# Altium PCB 39-996 - SM Clock-Timer.PcbDoc
Units mm, origin at the board's own origin, x right, y up, seen from the top; angles counter-clockwise.
Board outline 127.59 x 39.93 mm, 2 copper layers (Top Layer, Bottom Layer), stack 1.571 mm thick; 73 components, 68 nets, 281 pads, 84 vias.
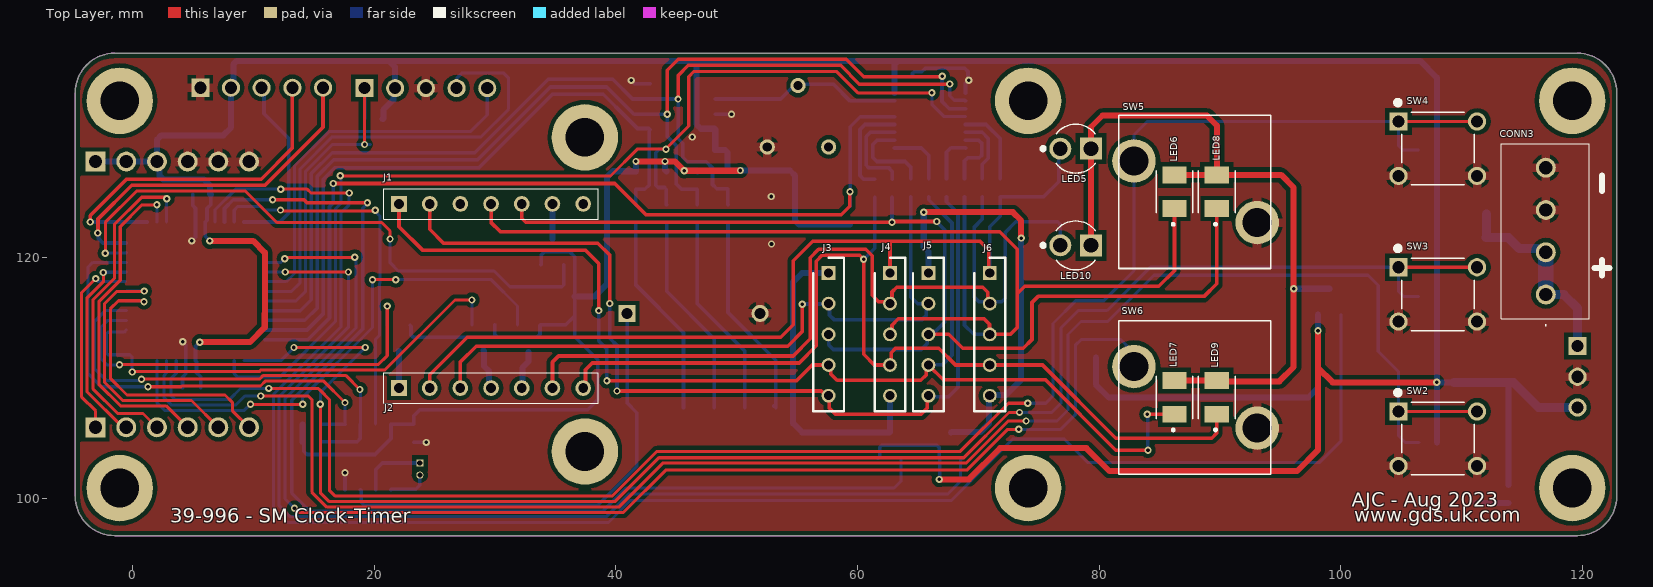
[diagram p0: Top Layer view]
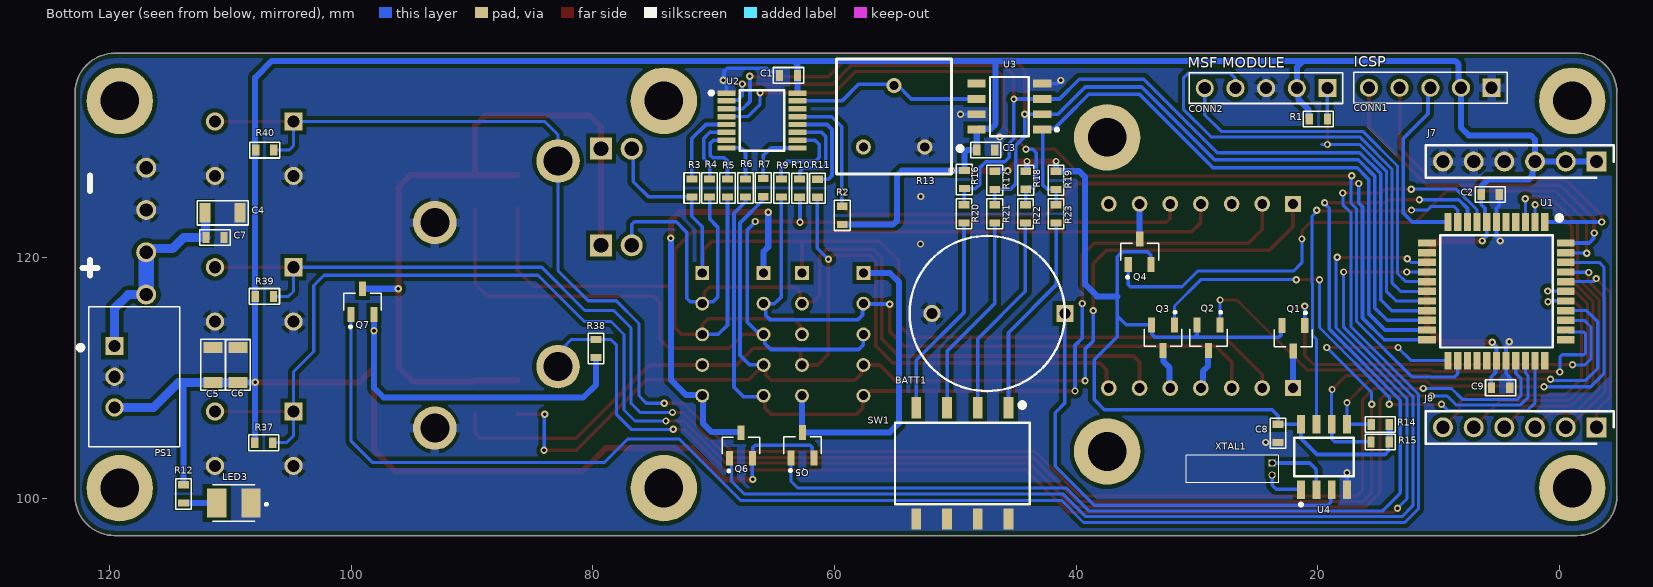
[diagram p1: Bottom Layer view, seen from below]
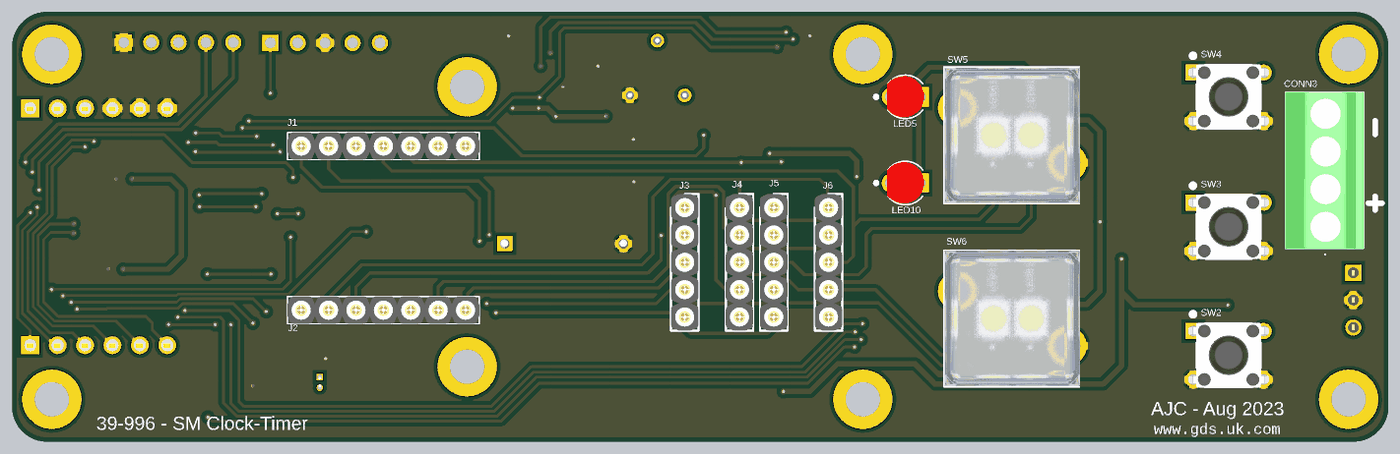
[diagram p2: 3D render of the assembled board from above, using the file's embedded part models]
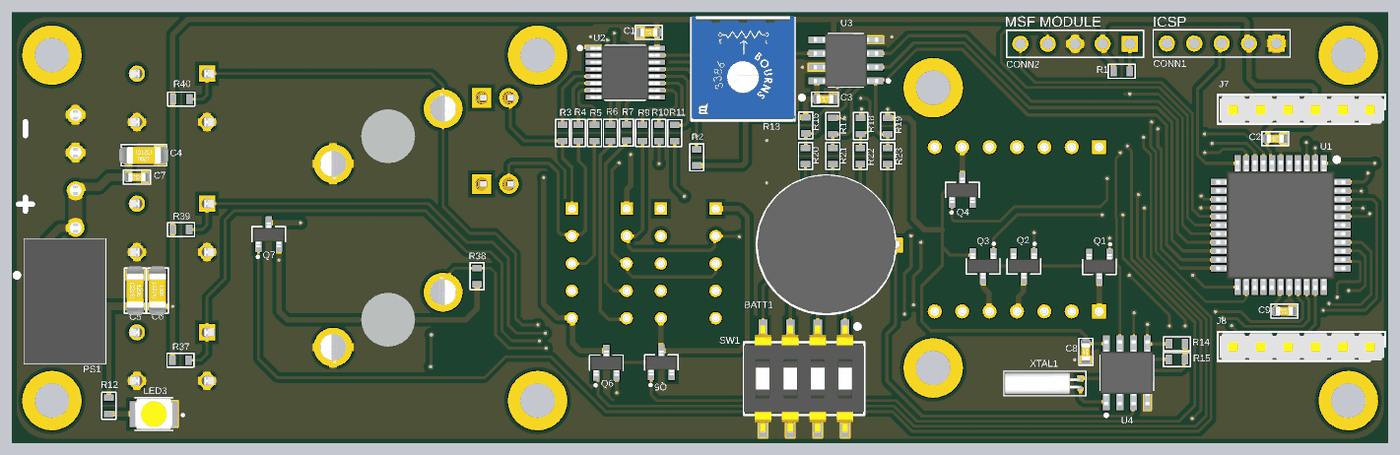
[diagram p3: 3D render of the assembled board from below, using the file's embedded part models]

## Layer stack, top to bottom
Top Solder: solder mask 0.0102, Solder Resist, Dk 3.5
Top Layer: signal copper 0.0356
Dielectric 1: dielectric 1.5, FR-4, Dk 4.8
Bottom Layer: signal copper 0.0356
Bottom Solder: solder mask 0.0102, Solder Resist, Dk 3.5

## Board outline
-4.75,100.189 -4.75,133.615 cw(c-1.499,133.614) -1.5,136.865 119.588,136.865 cw(c119.587,133.614) 122.838,133.615 122.838,100.189 cw(c119.587,100.19) 119.588,96.939 -1.5,96.939 cw(c-1.499,100.19)

## Design rules (kind name [scope] priority, off if disabled: settings)
AssemblyTestPointUsage AssemblyTestPointUsage_1 [All] p1:
AssemblyTestpoint AssemblyTestpoint_1 [All] p1: testpointundercomponent=TRUE minsize=1.016 maxsize=2.54 preferedsize=1.524 minholesize=0 maxholesize=1.016 preferedholesize=0.813 testpointgrid=0.025 usegrid=TRUE gridtolerance=0 allowsidetop=TRUE allowsidebottom=TRUE
Clearance Clearance_1 [All] p1: gap=0.35 ignorepadtopadclearanceinfootprint=FALSE except(0.2: Arc-Arc Arc-Track Arc-SMDPad Arc-THPad Arc-Via Track-Track Track-SMDPad Track-THPad Track-Via Track-Region SMDPad-SMDPad SMDPad-THPad SMDPad-Via SMDPad-Region THPad-THPad THPad-Via Via-Via)
ComponentClearance ComponentClearance_1 [All] p1: gap=0.254 collisioncheckmode=3 verticalgap=0.254 showdistances=FALSE
DiffPairsRouting DiffPairsRouting_1 [All] p1: maxlimit=0.254 minlimit=0.254 mostfreqgap=0.254 toplayer_minwidth=0.381 toplayer_maxwidth=0.381 toplayer_prefwidth=0.381 bottomlayer_minwidth=0.381 bottomlayer_maxwidth=0.381 bottomlayer_prefwidth=0.381 maxuncoupledlength=12.7
FabricationTestPointUsage FabricationTestPointUsage_1 [All] p1: valid=0 allowmultiple=FALSE
FabricationTestpoint FabricationTestpoint_1 [All] p1: side=3 testpointundercomponent=TRUE minsize=1.016 maxsize=2.54 preferedsize=1.524 minholesize=0 maxholesize=1.016 preferedholesize=0.813 testpointgrid=0.025 allowsidetop=TRUE allowsidebottom=TRUE usegrid=TRUE gridtolerance=0
FanoutControl Fanout_BGA_1 [IsBGA] p1: bgadir=Out bgaviamode=Centered fanoutstyle=Auto fanoutdirection=Alternating viagrid=0.025 // Fanout_BGA (Default Rule)
FanoutControl Fanout_LCC_1 [IsLCC] p2: bgadir=Out bgaviamode=Centered fanoutstyle=Auto fanoutdirection=Alternating viagrid=0.025 // Fanout_LCC (Default Rule)
FanoutControl Fanout_SOIC_1 [IsSOIC] p3: bgadir=Out bgaviamode=Centered fanoutstyle=Auto fanoutdirection=Alternating viagrid=0.025 // Fanout_SOIC (Default Rule)
FanoutControl Fanout_Small_1 [(CompPinCount < 5)] p4: bgadir=Out bgaviamode=Centered fanoutstyle=Auto fanoutdirection=OutThenIn viagrid=0.025 // Fanout_Small (Default Rule)
FanoutControl Fanout_Default_1 [All] p5: bgadir=Out bgaviamode=Centered fanoutstyle=Auto fanoutdirection=Alternating viagrid=0.025 // Fanout_Default (Default Rule)
Height Height_1 [All] p1: minheight=0 maxheight=50 prefheight=12.7
HoleSize HoleSize_1 [All] p1: absolutevalues=TRUE maxlimit=6 minlimit=0.025 maxpercent=80.000 minpercent=20.000
HoleToHoleClearance HoleToHoleClearance_1 [All] p1: gap=0.254 allowstackedmicrovias=TRUE
LayerPairs LayerPairs_1 [All] p1: enforce=TRUE
MinimumSolderMaskSliver MinimumSolderMaskSliver_1 [All] p1 off: minsoldermaskwidth=0
NetAntennae NetAntennae_1 [All] p1 off: netantennaetolerance=0
PasteMaskExpansion PasteMaskExpansion_1 [All] p1: expansion=0
PlaneClearance PlaneClearance_1 [All] p1: clearance=0.508
PlaneConnect PlaneConnect_1 [All] p1: planeconnectstyle=Relief reliefexpansion=0.508 reliefentries=4 reliefconductorwidth=0.254 reliefairgap=0.254
PolygonConnect PolygonConnect_1 [All] p1: thpad.connectstyle=Relief thpad.reliefconductorwidth=0.75 thpad.reliefentries=4 thpad.polygonreliefangle="90 Angle" thpad.airgapwidth=0.3 smdpad.connectstyle=Direct smdpad.reliefconductorwidth=0.254 smdpad.reliefentries=4 smdpad.polygonreliefangle="90 Angle" smdpad.airgapwidth=0.254 via.connectstyle=Direct via.reliefconductorwidth=0.254 via.reliefentries=4 via.polygonreliefangle="90 Angle" via.airgapwidth=0.254
RoutingCorners RoutingCorners_1 [All] p1: cornerstyle=45-Degree minsetback=2.54 maxsetback=2.54
RoutingLayers RoutingLayers_1 [All] p1: top layer_v5=TRUE bottom layer_v5=TRUE
RoutingPriority RoutingPriority_1 [All] p1: routingpriority=0
RoutingTopology RoutingTopology_1 [All] p1: topology=Shortest
RoutingVias RoutingVias_1 [All] p1: holewidth=0.4 width=0.8 viastyle="Through Hole" minholewidth=0.4 minwidth=0.8 maxholewidth=0.8 maxwidth=1.27
ShortCircuit ShortCircuit_1 [All] p1: allowed=FALSE
SilkToBoardRegionClearance SilkToBoardRegionClearance_1 [All] p2 off:
SilkToSilkClearance SilkToSilkClearance_1 [All] p1: silktosilkclearance=0
SilkToSolderMaskClearance SilkToSolderMaskClearance_1 [IsPad] p1 off: minsilkscreentomaskgap=0 clearancetoexposedcopper=TRUE
SolderMaskExpansion SolderMaskExpansion_1 [All] p1: expansion=0.102 istentingtop=FALSE
UnRoutedNet UnRoutedNet_1 [All] p1 off:
UnpouredPolygon UnpouredPolygon_1 [All] p1:
Width Width_1 [All] p1: maxlimit=2 minlimit=0.254 preferedwidth=0.5
1 further rules are at their usual default settings.

## Components (designator, comment, footprint, x,y, rotation, side; value= is the part's Value field where it differs from the comment)
BATT1 "CR1220MFR FH" CR1220MFRFH 40.93,115.329 r180 bottom
C1 "100nF" C0603 63.802,135.035 r180 bottom
C2 "100nF" C0603 5.715,125.184 r0 bottom
C3 "100nF" C0603 47.473,128.854 r0 bottom
C4 "10uF" C1206 110.638,123.651 r0 bottom
C5 "10uF" C1206 111.437,111.076 r270 bottom
C6 "10uF" C1206 109.363,111.074 r270 bottom
C7 "100nF" C0603 111.276,121.609 r0 bottom
C8 "100nF" C0603 23.279,105.407 r90 bottom
C9 "100nF" C0603 4.864,109.182 r0 bottom
CONN1 "NO FIT" ICSP 10.681,134.01 r0 bottom
CONN2 "NO FIT" ICSP 24.269,133.977 r0 bottom
CONN3 "1751264" 1751264 116.967,116.892 r90 top
J1 "1X7 Socket" D019970742 22.047,124.395 r0 top locked
J2 "1X7 Socket" D019970742 22.047,109.155 r0 top locked
J3 "1X5 Socket" D01-9970542 57.607,118.68 r270 top locked
J4 "1X5 Socket" D01-9970542 62.687,118.68 r270 top locked
J5 "1X5 Socket" D01-9970542 65.862,118.68 r270 top locked
J6 "1X5 Socket" D01-9970542 70.942,118.68 r270 top locked
J7 "SLW-106-01-G-S" SLW-106-01-G-S -3.067,127.902 r0 bottom
J8 "SLW-106-01-G-S" SLW-106-01-G-S -3.067,105.902 r0 bottom
LED3 "RED" LED_PLCC2 109.713,99.633 r0 bottom value="LS T676-Q1R2-1-Z"
LED5 "Red" LED_3MM 78.054,128.967 r0 top
LED6 "LS T676-Q1R2-1-Z" PLCC-2 86.23,125.401 r90 top
LED7 "LS T676-Q1R2-1-Z" PLCC-2 86.23,108.384 r90 top
LED8 "LG T67K-G2K1-24-Z" PLCC-2 89.73,125.401 r90 top
LED9 "LG T67K-G2K1-24-Z" PLCC-2 89.73,108.384 r90 top
LED10 "Red" LED_3MM 78.054,120.966 r0 top
PS1 "MP-K7805-500R3" CONV_K7805-500R3 117.962,110.088 r270 bottom
Q1 "SI2315BDS-T1-E3" SOT23-3 22.022,113.284 r270 bottom
Q2 "SI2315BDS-T1-E3" SOT23-3 29.032,113.322 r270 bottom
Q3 "SI2315BDS-T1-E3" SOT23-3 32.804,113.322 r270 bottom
Q4 "SI2315BDS-T1-E3" SOT23-3 34.734,120.434 r90 bottom
Q5 "SI2315BDS-T1-E3" SOT23-3 62.642,104.429 r90 bottom
Q6 "SI2315BDS-T1-E3" SOT23-3 67.742,104.4 r90 bottom
Q7 "SI2315BDS-T1-E3" SOT23-3 99.058,116.312 r90 bottom
R1 "4.7k" R0603 19.95,131.432 r0 bottom
R2 "10k" R0603 59.36,123.444 r270 bottom
R3 "100" R0603 71.802,125.713 r270 bottom
R4 "100" R0603 70.333,125.713 r270 bottom
R5 "100" R0603 68.847,125.713 r270 bottom
R6 "100" R0603 67.361,125.713 r270 bottom
R7 "100" R0603 65.894,125.739 r270 bottom
R9 "100" R0603 64.389,125.713 r270 bottom
R10 "100" R0603 62.88,125.699 r270 bottom
R11 "100" R0603 61.413,125.694 r270 bottom
R12 "1k" R0603 113.878,100.391 r90 bottom
R13 "10k" TRIM_3386F-1-103LF 55.067,132.918 r180 bottom
R14 "10k" R0603 14.821,106.143 r180 bottom
R15 "10k" R0603 14.833,104.683 r180 bottom
R16 "100k" R0603 49.251,126.411 r90 bottom
R17 "100k" R0603 46.736,126.349 r90 bottom
R18 "100k" R0603 44.171,126.349 r90 bottom
R19 "100k" R0603 41.656,126.349 r90 bottom
R20 "4.7k" R0603 49.276,123.574 r90 bottom
R21 "4.7k" R0603 46.736,123.574 r90 bottom
R22 "4.7k" R0603 44.196,123.574 r90 bottom
R23 "4.7k" R0603 41.656,123.574 r90 bottom
R37 "10k" R0603 107.238,104.63 r0 bottom
R38 "10k" R0603 79.73,112.425 r270 bottom
R39 "10k" R0603 107.182,116.745 r0 bottom
R40 "10k" R0603 107.159,128.846 r0 bottom
SW1 "DS04-254-2-04BK-SMT" SW_DS04-254-2-04BK-SMT 49.409,102.921 r270 bottom
SW2 "TS02-66-160-BK-260-LCR-D" SW_TS02-66-160-BK-260-LCR-D 108.026,104.964 r0 top
SW3 "TS02-66-160-BK-260-LCR-D" SW_TS02-66-160-BK-260-LCR-D 108.026,116.902 r0 top
SW4 "TS02-66-160-BK-260-LCR-D" SW_TS02-66-160-BK-260-LCR-D 108.026,128.967 r0 top
SW5 "95-313.000" PUSHBUTTON_95-313.000 87.98,125.401 r90 top
SW6 "95-313.000" PUSHBUTTON_95-313.000 87.98,108.384 r90 top
U1 "PIC18F4520-I_PT" TQFP-44 5.207,117.157 r270 bottom value=PIC18F4520-I/PT
U2 "TLC5917IPWR" SOIC-16 66.002,131.296 r180 bottom
U3 "MCP41010-I/SN" SOIC-8 45.528,132.448 r0 bottom
U4 "DS1307Z+" SOIC-8 19.478,103.453 r90 bottom value=1.75mm
XTAL1 "AB26T-32.768KHZ-E" AB26T32768KHZE 23.774,102.448 r0 bottom value=https://abracon.com/Resonators/AB26T.pdf

## Footprints (in the part's own frame and the unit in brackets; to place one, negate y for a bottom-side part, rotate by r counter-clockwise, add the part's x,y. Pads: shape width x height; smd on the part's side, far side on the other; paste and mask are expansions set on the pad)
1751264 [mm]
  round 1.65 hole 1.1: 1(0,0) 2(3.5,0) 3(7,0) 4(10.5,0)
  silkscreen extent -2.6,-3.6 12.5,3.7, body extent -2,-3.6 12.5,3.7, height 8.5
AB26T32768KHZE [mm]
  rect 0.6x0.6 hole 0.44: 1(0,-0.5)
  round 0.6 hole 0.4: 2(0,0.5)
  silkscreen extent -0.51,-1.16 7.11,1.12, body extent -0.14,-1.03 7,0.97, height 2
C0603 [mm] "0603 Capacitor Package"
  rect 0.6x0.9 smd: 1(-0.75,0) 2(0.75,0)
  silkscreen extent -1.25,-0.65 1.25,0.65, body extent -1.23,-0.4 1.23,0.4, height 0.8
C1206 [mm] "1206 Capacitor Package"
  rect 0.9x1.6 smd: 1(-1.45,0) 2(1.45,0)
  silkscreen extent -2.1,-1 2.1,1, body extent -2.27,-0.8 2.27,0.8, height 1.25
CONV_K7805-500R3 [mm]
  rect 1.508x1.508 hole 1: 1(-2.54,-1.625)
  round 1.508 hole 1: 2(0,-1.625) 3(2.54,-1.625)
  silkscreen extent -5.8,-4.64 5.8,3.77, body extent -5.8,-3.77 5.8,3.77, height 10.16
CR1220MFRFH [mm] "CR1220MFRFH"
  rect 1.408x1.408 / inner round 0 / far side rect 1.408x1.408 hole 0.9: +(0,0)
  round 1.408 / inner round 0 / far side round 1.408 hole 0.9: -(-11,0)
  silkscreen extent -12.85,-6.43 0,6.43, body extent -12.82,-6.37 0.38,6.48, height 3.05
D01-9970542 [mm]
  rect 1.15x1.15 / inner round 1.15 / far side rect 1.15x1.15 hole 0.75: 1(0,0)
  round 1.15 hole 0.75: 2(2.54,0) 3(5.08,0) 4(7.62,0) 5(10.16,0)
  silkscreen extent -1.27,-1.27 11.43,1.27, body extent -1.27,-1.27 11.43,1.27, height 4.3
D019970742 [mm]
  rect 1.3x1.3 hole 0.8: 1(0,0)
  round 1.3 hole 0.8: 2(2.54,0) 3(5.08,0) 4(7.62,0) 5(10.16,0) 6(12.7,0) 7(15.24,0)
  silkscreen extent -1.27,-1.27 16.51,1.27, body extent -1.27,-1.27 16.51,1.27, height 4.3
ICSP [mm] "ICSP Header"
  rect 1.5x1.5 hole 1: 1(-5.08,0)
  round 1.5 hole 1: 2(-2.54,0) 3(0,0) 4(2.54,0) 5(5.08,0)
  silkscreen extent -6.35,-1.27 6.35,1.27
LED_3MM [mm]
  rect 1.815x1.815 hole 1.21: A(1.27,0)
  round 1.815 hole 1.21: C(-1.27,0)
  silkscreen extent -2.85,-2.03 1.62,2.03, body extent -1.75,-1.9 1.75,1.94, height 20.39
LED_PLCC2 [mm]
  rect 1.6x2.4 smd: 1(-1.425,0) 2(1.425,0)
  silkscreen extent -2.79,-1.51 1.75,1.51, body extent -1.75,-1.4 1.75,1.4, height 1.9
PLCC-2 [mm]
  rect 1.4x2 smd: A(1.4,0) C(-1.4,0)
  silkscreen extent -2.79,-1.51 1.75,1.51, body extent -1.75,-1.4 1.75,1.4, height 1.9
PUSHBUTTON_95-313.000 [mm] "DCDC Converter"
  round 3.6 hole 2.4: 1(2.55,5.1) 2(-2.55,-5.1)
  silkscreen extent -6.35,-6.22 6.35,6.35, body extent -6.27,-6.27 6.27,6.28, height 23.6
R0603 [mm] "0603 Resistor Package"
  rect 0.6x0.9 smd: 1(-0.75,0) 2(0.75,0)
  silkscreen extent -1.25,-0.65 1.25,0.65, body extent -1.23,-0.4 1.23,0.4, height 0.8
SLW-106-01-G-S [mm]
  rect 1.65x1.65 / inner round 1.65 / far side rect 1.65x1.65 hole 1.1: 1(0,0)
  round 1.65 hole 1.1: 2(2.54,0) 3(5.08,0) 4(7.62,0) 5(10.16,0) 6(12.7,0)
  silkscreen extent -1.42,-1.35 14.12,1.35, body extent -1.31,-1.22 13.93,1.32, height 4.67
SOIC-8 [mm]
  rect 1.525x0.65 smd: 1(-2.712,1.905) 2(-2.712,0.635) 3(-2.712,-0.635) 4(-2.712,-1.905) 5(2.712,-1.905) 6(2.712,-0.635) 7(2.712,0.635) 8(2.712,1.905)
  silkscreen extent -4.06,-2.45 1.6,2.45, body extent -3,-2.45 3,2.45, height 1.75
SOIC-16 [mm]
  rect 1.475x0.45 smd: 1(-2.938,2.275) 2(-2.938,1.625) 3(-2.938,0.975) 4(-2.938,0.325) 5(-2.938,-0.325) 6(-2.938,-0.975) 7(-2.938,-1.625) 8(-2.938,-2.275) 9(2.938,-2.275) 10(2.938,-1.625) 11(2.938,-0.975) 12(2.938,-0.325) 13(2.938,0.325) 14(2.938,0.975) 15(2.938,1.625) 16(2.938,2.275)
  silkscreen extent -4.34,-2.5 1.85,2.5, body extent -3.2,-2.5 3.2,2.5, height 1.13
SOT23-3 [mm]
  rect 1.23x0.59 smd: 1(-1.06,0.95) 2(-1.06,-0.95) 3(1.06,0)
  silkscreen extent -2.2,-1.56 0.7,1.56, body extent -1.2,-1.45 1.1,1.45, height 1.1
SW_DS04-254-2-04BK-SMT [mm]
  rect 1.75x0.8 smd: 1(-4.6,3.81) 2(-4.6,1.27) 3(-4.6,-1.27) 4(-4.6,-3.81) 5(4.6,-3.81) 6(4.6,-1.27) 7(4.6,1.27) 8(4.6,3.81)
  silkscreen extent -5.03,-5.58 3.38,5.58, body extent -4.95,-5.59 4.95,5.57, height 3.99
SW_TS02-66-160-BK-260-LCR-D [mm]
  rect 1.508x1.508 / inner round 1.508 / far side rect 1.508x1.508 hole 1: 1(-3.25,2.25)
  round 1.508 hole 1: 1(3.25,2.25) 2(-3.25,-2.25) 2(3.25,-2.25)
  silkscreen extent -3.5,-3 3,4.01, body extent -3.95,-3 3.95,3, height 16
TQFP-44 [mm]
  rect 1.475x0.6 smd: 1(-5.738,4) 2(-5.738,3.2) 3(-5.738,2.4) 4(-5.738,1.6) 5(-5.738,0.8) 6(-5.738,0) 7(-5.738,-0.8) 8(-5.738,-1.6) 9(-5.738,-2.4) 10(-5.738,-3.2) 11(-5.738,-4) 23(5.738,-4) 24(5.738,-3.2) 25(5.738,-2.4) 26(5.738,-1.6) 27(5.738,-0.8) 28(5.738,0) 29(5.738,0.8) 30(5.738,1.6) 31(5.738,2.4) 32(5.738,3.2) 33(5.738,4)
  rect 0.6x1.475 smd: 12(-4,-5.738) 13(-3.2,-5.738) 14(-2.4,-5.738) 15(-1.6,-5.738) 16(-0.8,-5.738) 17(0,-5.738) 18(0.8,-5.738) 19(1.6,-5.738) 20(2.4,-5.738) 21(3.2,-5.738) 22(4,-5.738) 34(4,5.738) 35(3.2,5.738) 36(2.4,5.738) 37(1.6,5.738) 38(0.8,5.738) 39(0,5.738) 40(-0.8,5.738) 41(-1.6,5.738) 42(-2.4,5.738) 43(-3.2,5.738) 44(-4,5.738)
  silkscreen extent -6.27,-4.65 4.65,5.4, body extent -6,-6 6,6, height 1.2
TRIM_3386F-1-103LF [mm]
  round 1.258 hole 0.75: 1(2.54,-3.81) 2(0,1.27) 3(-2.54,-3.81)
  silkscreen extent -4.77,-6.05 5.63,3.48, body extent -4.76,-5.91 4.77,3.62, height 5.09

## Part data
BATT1: "Coin Cell Battery 3V2-PINHORZ40mAh", Manufacturer=Renata, Supplier Part Number=614-CR1220MFR-FH, Manufacturer Part Number="CR1220MFR FH", Supplier=Mouser
C1 C2 C3 C7 C8 C9: library part "100nF ± 10% 50V", "100nF ± 10% 50V", Manufacturer=Yageo, Price=0.1, Supplier=mouser
C4 C5 C6: library part "10uF ± 10% 50V", "10uF ± 10% 50V", Manufacturer=Yageo, Price=0.1, Supplier=mouser
CONN1 CONN2: library part ICSP, "ICSP Header - 5 Pin, 2.54mm Pitch"
CONN3: "Fixed Terminal Blocks 4P 3.5mm 90DEG", Manufacturer="Phoenix Contact", Supplier Part Number=651-1751264, Manufacturer Part Number=1751264, Price=2.62, Supplier=Mouser
J1 J2: library part D01-9970742, "IC & Component Sockets 7 WAY SIL VERT SKT", Manufacturer=Harwin, Supplier Part Number=855-D01-9970742, Manufacturer Part Number=D01-9970742, Price=1, Supplier=Mouser
J3 J4 J5 J6: library part D01-9970542, "IC & Component Sockets 5 WAY SIL VERT SKT", Manufacturer=Harwin, Supplier Part Number=855-D01-9970542, Manufacturer Part Number=D01-9970542, Price=0.7, Supplier=Mouser
J7 J8: "Headers & Wire Housings .100\" Tiger Buy Low Profile Socket Strip", Manufacturer=Samtec, Supplier Part Number=200-SLW10601GS, Manufacturer Part Number=SLW-106-01-G-S, Price=1.53, Supplier=Mouser
LED3: library part "LS T676-Q1R2-1-Z", "Standard LEDs - SMD Super Red, 645nm 180mcd, 20mA", Manufacturer="ams OSRAM", Supplier Part Number=720-LST676-Q1R2-1-Z, Manufacturer Part Number="LS T676-Q1R2-1-Z", Price=0.3, Supplier=mouser
LED5 LED10: library part WP132XID, "Standard LEDs - Through Hole RED DIFFUSED", Manufacturer=Kingbright, Supplier Part Number=604-WP132XID, Colour=Red, Height=mm, Manufacturer Part Number=WP132XID, Price=0.28, Supplier=Mouser
LED6 LED7: "Standard LEDs - SMD Super Red, 645nm 180mcd, 20mA", Manufacturer="ams OSRAM", Supplier Part Number=720-LST676-Q1R2-1-Z, Manufacturer Part Number="LS T676-Q1R2-1-Z", Price=0.3, Supplier=mouser
LED8 LED9: "Standard LEDs - SMD Green 570nm, 20mA", Manufacturer="ams OSRAM", Supplier Part Number=720-LGT67KG2K124Z, Manufacturer Part Number="LG T67K-G2K1-24-Z", Price=0.3, Supplier=mouser
PS1: "Linear Regulator Replacement DC DC Converter 1 Output 5V, -5V - - - 500mA, 300mA 6.5V, 7V - 36V, 31V Input", Manufacturer="MULTICOMP PRO", Supplier Part Number=3584025, Manufacturer Part Number=MP-K7805-500R3, Price=None, Supplier=Farnell
Q1 Q2 Q3 Q4 Q5 Q6 Q7: "MOSFET 1.8V 3.2A 1.25W", Manufacturer="Vishay Semiconductors", Supplier Part Number=781-SI2315BDS-E3, Manufacturer Part Number=SI2315BDS-T1-E3, Price=0.5, Supplier=mouser
R1 R20 R21 R22 R23: library part "4.7 kOhms ±1% 0.1W", "4.7 kOhms ±1% 0.1W", Manufacturer=Yageo, Manufacturer Part Number=RC0603FR-074K7L, Supplier Part Number=603-RC0603FR-074K7L, Supplier=mouser
R2 R14 R15 R37 R38 R39 R40: library part "10 kOhms ±1% 0.1W", "10 kOhms ±1% 0.1W", Manufacturer=Yageo, Manufacturer Part Number=RC0603FR-0710KL, Price=0.1
R3 R4 R5 R6 R7 R9 R10 R11: library part "100 Ohms ±1% 0.1W", "100 Ohms ±1% 0.1W", Manufacturer=Yageo, Manufacturer Part Number=RC0603FR-07100RL, Price=0.1
R12: library part "1 kOhms ±1% 0.1W", "1 kOhms ±1% 0.1W", Manufacturer=Yageo, Manufacturer Part Number=RC0603FR-071KL, Price=0.1
R13: library part 3386F-1-103LF, "Trimmer Resistors - Through Hole 3/8\" 10Kohms 10% 0.5Watts Square", Manufacturer=Bourns, Supplier Part Number=652-3386F-1-103LF, Manufacturer Part Number=3386F-1-103LF, Price=1.5, Supplier=Mouser
R16 R17 R18 R19: library part "100 kOhms ±1% 0.1W", "100 kOhms ±1% 0.1W", Manufacturer=Yageo, Manufacturer Part Number=RC0603FR-07100KL, Price=0.1
SW1: "DIP Switches/SIP Switches DIP Switch, SPST, 2.54 pitch, flat actuator, SMT, 4 position, Black", Manufacturer="CUI Devices", Supplier Part Number=490-DS04254204BK-SMT, Manufacturer Part Number=DS04-254-2-04BK-SMT, Price=0.6, Supplier=Mouser
SW2 SW3 SW4: "Tactile Switches 6 x 6 mm, 16 mm Act Height, 260 gf, Black, Long Crimped, Through Hole, SPST,", Manufacturer="CUI Devices", Supplier Part Number=179-TS0266160BK260LC, Manufacturer Part Number=TS02-66-160-BK-260-LCR-D, Price=0.12, Supplier=Mouser
SW5 SW6: "Switching element square, 12.7 x 12.7 mm", Manufacturer=eao, Manufacturer Part Number=95-313.000
U1: "MCU 32 KB Flash,1536 RAM, 36 I/O", Manufacturer=Microchip, Manufacturer Part Number=PIC18F4520-I/PT, Supplier Part Number=579-PIC18F4520-I/PT, Price=6, Supplier=Mouser
U2: "LED Lighting Drivers 8B Constant-Current LED Sink", Manufacturer="Texas Instruments", Supplier Part Number=595-TLC5917IPWR, Manufacturer Part Number=TLC5917IPWR, Price=1.8, Supplier=Mouser
U3: "Digital Potentiometer 10K 256pos SPI SO8", Manufacturer=Microchip, Supplier Part Number=579-MCP41010-I/SN, Manufacturer Part Number=MCP41010-I/SN, Price=1.8, Supplier=Mouser
U4: "DS1307Z+, Real Time Clock, Alarm, Calendar, Clock, 56B RAM, I2C, 5V, 8-Pin SOIC", Manufacturer="Analog Devices", Supplier Part Number=700-DS1307Z, Manufacturer Part Number=DS1307Z+, Price=4.5, Supplier=Mouser
XTAL1: "OSC XO 1.33GHZ 2.5V LVPECL", Manufacturer=ABRACON, Supplier Part Number=815-AB26T32.768KHZE, Manufacturer Part Number=AB26T-32.768KHZ-E, Price=0.15, Supplier=Mouser

## Free pads (board coordinates)
  round 5.5 hole 3.2 unplated: 0(-1.067,100.876) 0(-1.067,132.928) 0(37.433,103.902) 0(37.433,129.902) 0(74.117,100.876) 0(74.117,132.928) 0(119.156,100.876) 0(119.156,132.928)

## Via types
v1: diameter 0.6, hole 0.3, Top Layer to Bottom Layer, tented both sides, 84 vias

## Nets (pads, with @x,y where several pads share a name; then routed paths per layer and width w, separated by ;. In a path a pad name is that pad's centre, name@x,y a point inside that pad or via, vN(x,y) a via of type N, cw(c..) or ccw(c..) an arc to the next point about the centre after c; other vN are vias at no path point)
1Hz_CLK: U1.10 U4.7 | length 31
  Top Layer w0.254: v1(12.243,123.883) 12.305,123.82 20.028,123.82 v1(20.081,123.873)
  Bottom Layer w0.254: U1.10 8.407,123.875 8.725,124.193 10.604,124.193 10.915,123.883 v1(12.243,123.883) ; v1(20.081,123.873) 20.081,123.78 20.477,123.384 20.477,117.853 20.444,117.82 20.444,113.54 20.113,113.209 U4.7
+5V: C1.2 C2.2 C3.2 C5.2 C6.2 C8.2 C9.2 CONN1.2 CONN2.2 J7.1 J7.2 J7.3 PS1.3 Q1.2 Q2.2 Q3.2 Q4.2 Q5.2 Q6.2 Q7.2 R1.2 R2.2 R12.2 R14.2 R15.2 R16.2 R17.2 R18.2 R19.2 R37.2 R38.2 R39.2 R40.2 U1.7 U1.28 U2.16 U3.8 U4.8 | length 415.3
  Top Layer w0.5: v1(5.55,112.954) 9.716,112.954 10.935,114.173 10.935,115.329 10.945,115.339 10.945,120.358 9.967,121.336 v1(6.388,121.336) ; v1(41.656,127.914) v1(44.067,127.914) 44.882,127.914 v1(45.656,127.14) 50.281,127.14 v1(50.302,127.161) ; v1(66.771,101.595) 69.21,101.595 71.793,104.178 78.943,104.178 80.835,102.286 96.38,102.286 98.107,104.013 98.107,110.846 ; v1(98.107,113.906) 98.107,110.846 ; v1(107.948,109.626) 99.327,109.626 98.107,110.846
  Bottom Layer w0.3: v1(5.55,112.954) 5.207,112.611 U1.28 5.286,111.341 5.286,110.424 5.626,110.084 C9.2@5.626,109.182 ; v1(6.388,121.336) 6.007,121.717 U1.7 6.157,123.045 6.157,124.026 6.465,124.334 C2.2 ; R15.2@14.077,104.689 R15.2 14.173,104.592 14.173,103.924 14.44,103.657 20.066,103.657 21.383,104.974 U4.8 21.391,106.157 C8.2 23.279,106.858 23.787,107.366 37.668,107.366 38.505,108.203 38.505,111.495 36.589,113.411 36.589,115.113 ; Q1.2 23.038,114.278 23.038,113.548 23.214,113.372 30.189,113.372 ; Q2.2 29.985,114.38 29.985,113.576 30.189,113.372 ; Q4.2 33.833,119.422 33.833,120.18 34.074,120.421 36.195,120.421 36.589,120.028 36.589,116.738 36.589,115.113 ; Q5.2 61.837,103.514 61.837,104.253 62.012,104.429 66.551,104.429 66.751,104.229 66.751,103.381 Q6.2 66.791,103.339 66.791,101.614 v1(66.771,101.595) ; U2.16@63.052,133.596 63.052,133.583 U2.16 ; R37.2@107.948,104.67 R37.2 ; C6.2@109.361,109.626 C6.2 ; 30.189,113.372 33.489,113.372 33.718,113.602 33.718,114.346 Q3.2 35.858,114.382 36.589,115.113
  Bottom Layer w0.5: J7.1 J7.2 J7.3 ; C2.2 6.415,125.234 6.415,125.919 5.902,126.432 2.526,126.432 2.233,126.725 2.233,127.682 J7.3 ; R14.2 14.077,106.137 R15.2@14.077,104.689 ; R1.2 20.75,131.482 20.75,132.182 21.577,133.008 21.577,133.824 CONN2.2 CONN2.2 21.728,135.712 21.335,136.106 21.335,136.233 ; 36.589,116.738 38.265,116.738 39.256,117.729 39.256,126.606 39.748,127.099 R19.2 v1(41.656,127.914) ; v1(44.067,127.914) 44.067,127.202 R18.2 ; v1(45.656,127.14) 46.677,127.14 46.686,127.149 R17.2 ; R2.2 55.144,122.694 54.839,122.999 54.839,126.733 54.411,127.161 v1(50.302,127.161) R16.2 49.251,128.638 49.035,128.854 C3.2 48.223,130.525 U3.8 48.165,130.618 47.042,130.618 46.66,131 46.66,136.144 46.749,136.233 ; U2.16@63.052,133.596 C1.2 63.072,135.055 63.072,135.94 63.364,136.233 ; R38.2 79.73,109.436 80.797,108.369 97.32,108.369 98.107,109.156 v1(98.107,113.906) Q7.2 ; R37.2@107.948,104.67 v1(107.948,109.626) ; C6.2@109.361,109.626 v1(107.948,109.626) ; 113.805,109.624 113.878,109.55 R12.2 ; J7.3 2.013,129.712 2.375,130.073 7.506,130.073 8.141,130.708 CONN1.2 8.331,134.201 8.331,135.94 8.624,136.233 21.335,136.233 ; 21.335,136.233 46.749,136.233 ; 46.749,136.233 63.364,136.233 ; 63.364,136.233 106.562,136.233 107.948,134.847 107.948,128.846 v1(107.948,109.626)
  Bottom Layer w0.75: C6.2 113.805,109.624 114.277,109.624 116.353,107.548 PS1.3
ANODE_1: J2.1 Q1.3 | length 3.1
  Bottom Layer w0.5: Q1.3 22.034,112.211 22.034,109.168 J2.1
ANODE_1_Drive: Q1.1 U1.36 | length 34.9
  Top Layer w0.254: v1(-1.087,111.079) -1.054,111.112 -1.041,111.112 20.345,111.112 21.071,111.838 v1(21.071,115.938)
  Bottom Layer w0.254: v1(-1.087,111.079) -2.126,111.079 -2.626,111.579 -2.626,114.202 -2.07,114.757 U1.36 ; Q1.1@21.071,114.345 v1(21.071,115.938)
ANODE_2: J2.4 Q2.3 | length 3.4
  Bottom Layer w0.5: Q2.3 29.077,112.217 29.077,110.978 29.514,110.541 29.514,109.308 J2.4
ANODE_2_Drive: Q2.1 U1.35 | length 39.5
  Top Layer w0.254: v1(-0.038,110.485) -0.01,110.514 10.485,110.514 10.629,110.658 20.895,110.658 26.68,116.444 v1(28.082,116.444)
  Bottom Layer w0.254: U1.35 -0.704,113.785 -2.023,113.785 -2.172,113.636 -2.172,112.061 -2.023,111.912 -0.229,111.912 -0.038,111.722 v1(-0.038,110.485) ; Q2.1 v1(28.082,116.444)
ANODE_3: J2.5 Q3.3 | length 3.2
  Bottom Layer w0.5: J2.5 32.258,109.206 32.258,110.833 32.76,111.335 Q3.3@32.76,112.135
ANODE_3_Drive: Q3.1 U1.32 | length 43.2
  Top Layer w0.254: v1(9.754,107.823) 9.766,107.81 v1(14.072,107.81) ; v1(19.85,118.113) 19.86,118.123 v1(21.78,118.123)
  Bottom Layer w0.254: U1.32 2.007,107.95 2.644,107.313 9.243,107.313 v1(9.754,107.823) ; v1(14.072,107.81) 14.072,108.382 19.85,114.16 v1(19.85,118.113) ; v1(21.78,118.123) 29.68,118.123 31.854,115.949 Q3.1
ANODE_4: J1.6 Q4.3 | length 2.9
  Bottom Layer w0.5: Q4.3 34.741,121.5 34.741,124.389 J1.6
ANODE_4_Drive: Q4.1 U1.43 | length 49.9
  Top Layer w0.254: v1(-2.261,120.32) -2.261,122.872 0.322,125.455 9.343,125.455 11.938,122.86 20.612,122.86 21.303,122.169 21.303,121.496 v1(21.311,121.488)
  Bottom Layer w0.254: v1(-2.261,120.32) -0.569,120.32 U1.43 ; v1(21.311,121.488) 21.311,119.52 21.984,118.847 29.921,118.847 31.229,117.538 35.536,117.538 35.685,117.687 Q4.1
ANODE_5: J3.1 J4.5 Q5.3 | length 26.2
  Bottom Layer w0.5: J3.1 55.413,118.68 54.673,117.94 54.673,106.235 55.42,105.489 Q5.3 ; J4.5 62.692,108.515 Q5.3@62.692,105.529
ANODE_5_Drive: Q5.1 U1.9 | length 94
  Top Layer w0.3: v1(11.582,124.739) 14.186,124.739 14.427,124.498 v1(19.431,124.498)
  Bottom Layer w0.254: 13.17,108.153 13.17,100.457 14.659,98.968 38.91,98.968 40.818,100.876 63.03,100.876 63.592,101.438 Q5.1
  Bottom Layer w0.3: U1.9 7.607,124.014 8.333,124.739 v1(11.582,124.739) ; 13.17,108.153 13.17,108.155 19.05,114.035 19.05,124.036 19.431,124.417 v1(19.431,124.498)
ANODE_6: J5.1 J6.5 Q6.3 | length 35.6
  Top Layer w0.5: v1(65.481,123.711) 72.86,123.711 73.546,123.025 v1(73.546,121.564)
  Bottom Layer w0.5: v1(65.481,123.711) 65.481,120.84 65.862,120.459 J5.1 ; Q6.3 67.747,105.46 67.787,105.5 70.161,105.5 70.866,106.206 70.866,108.444 J6.5 70.986,108.564 72.267,108.564 73.546,109.842 v1(73.546,121.564)
ANODE_6_Drive: Q6.1 U1.15 | length 88.6
  Top Layer w0.254: v1(12.624,118.757) v1(17.856,118.757)
  Bottom Layer w0.254: U1.15 v1(12.624,118.757) ; v1(17.856,118.757) 17.856,114.185 12.128,108.458 12.128,99.416 13.03,98.514 39.205,98.514 41.059,100.368 67.45,100.368 68.528,101.446 68.528,103.176 Q6.1
ANODE_COLON: J1.7
ANODE_LED: LED5.A LED6.A LED7.A LED8.A LED9.A LED10.A Q7.3 | length 63.6
  Top Layer w0.5: LED10.A LED5.A 79.324,130.759 80.277,131.712 88.913,131.712 89.751,130.874 89.751,126.822 LED8.A ; LED7.A LED9.A 89.812,109.703 94.907,109.703 96.101,110.896 v1(96.101,117.372) 96.101,125.755 95.055,126.801 LED8.A ; LED6.A LED8.A
  Bottom Layer w0.5: v1@96.063,117.348 96.087,117.372 Q7.3
ANODE_LED_Drive: Q7.1 U1.8 | length 145.4
  Top Layer w0.254: v1(12.268,125.616) 14.44,125.616 14.757,125.298 v1(17.92,125.298)
  Bottom Layer w0.254: U1.8 6.807,123.888 8.534,125.616 v1(12.268,125.616) ; v1(17.92,125.298) 17.92,124.333 17.229,123.642 17.229,114.201 11.659,108.63 11.659,99.162 12.789,98.031 39.383,98.031 41.211,99.86 67.78,99.86 72.873,104.953 77.089,104.953 79.032,103.01 98.26,103.01 100.007,104.757 Q7.1
BUTTON1: R37.1 SW2.1 U1.31 | length 146
  Top Layer w0.254: v1(10.602,108.496) 14.541,108.496 14.834,108.204 14.834,100.541 16.073,99.301 40.234,99.301 43.866,102.933 68.979,102.933 72.472,106.426 v1(73.952,106.426) ; SW2.1@104.776,107.214 SW2.1@111.276,107.214
  Bottom Layer w0.254: U1.31 2.807,110.414 2.603,110.211 2.603,108.351 3.185,107.769 8.557,107.769 9.284,108.496 v1(10.602,108.496) ; v1(73.952,106.426) 76.505,106.426 77.419,107.34 77.419,113.589 78.499,114.668 80.708,114.668 84.531,118.491 102.248,118.491 103.099,117.64 103.099,112.179 104.776,110.502 104.776,107.214 104.776,105.214 105.36,104.63 R37.1
BUTTON2: R38.1 SW6.1 U1.14 | length 111.7
  Top Layer w0.254: v1(12.586,119.863) 12.7,119.977 v1(18.39,119.977) ; v1(13.399,99.212) 13.764,98.847 40.605,98.847 44.12,102.362 69.05,102.362 72.428,105.74 v1(73.342,105.74)
  Bottom Layer w0.254: U1.14 12.281,119.558 v1(12.586,119.863) ; v1(13.399,99.212) 12.611,100 12.611,108.27 18.483,114.142 18.483,119.884 v1(18.39,119.977) ; v1(73.342,105.74) 76.822,105.74 78.029,106.947 78.029,112.7 78.504,113.175 R38.1 81.789,113.175 82.24,112.724 82.24,111.574 SW6.1
BUTTON3: R39.1 SW3.1 U1.23 | length 135.6
  Top Layer w0.254: v1(13.348,112.507) v1(19.251,112.507) ; v1(15.532,107.81) 15.532,100.484 16.242,99.774 39.945,99.774 43.558,103.387 68.791,103.387 72.541,107.137 v1(73.406,107.137) ; SW3.1@104.776,119.152 SW3.1@111.276,119.152
  Bottom Layer w0.254: U1.23 12.271,111.42 13.348,112.497 v1(13.348,112.507) ; v1(15.532,107.81) 15.532,108.788 v1(19.251,112.507) ; v1(73.406,107.137) 76.086,107.137 76.835,107.886 76.835,114.135 78.27,115.57 80.658,115.57 84.24,119.152 104.776,119.152 104.776,117.152 105.183,116.745 R39.1
BUTTON4: R40.1 SW4.1 SW5.1 U1.30 | length 146.5
  Top Layer w0.254: v1(11.265,109.123) 11.354,109.123 15.371,109.123 15.519,108.974 16.281,108.212 16.281,100.686 16.739,100.228 39.713,100.228 43.396,103.911 68.504,103.911 72.492,107.899 v1(74.092,107.899) ; SW4.1@104.776,131.217 SW4.1@111.276,131.217
  Bottom Layer w0.254: U1.30 3.607,110.376 3.162,109.931 3.162,108.547 3.486,108.223 8.033,108.223 8.933,109.123 v1(11.265,109.123) ; v1(74.092,107.899) 75.565,107.899 76.175,108.509 76.175,114.503 78.054,116.383 80.391,116.383 82.88,118.872 SW5.1 82.88,130.116 83.981,131.217 104.776,131.217 104.776,129.217 105.147,128.846 R40.1
CATHODE_A: J2.2 J4.1 J6.1 LED5.C R3.2 | length 74.7
  Top Layer w0.3: J2.2 24.587,110.261 27.686,113.36 53.638,113.36 54.673,114.395 54.673,119.681 56.29,121.298 62.687,121.298 ; J4.1 62.687,121.298 ; J6.1 70.85,118.773 70.85,120.579 70.131,121.298 62.687,121.298
  Bottom Layer w0.3: J6.1 70.942,122.504 71.802,123.364 R3.2 71.82,124.981 75.387,124.981 76.644,126.238 76.644,128.827 LED5.C
CATHODE_B: J2.6 J4.2 J6.2 LED10.C R4.2 | length 75.6
  Top Layer w0.3: J2.6 34.747,111.303 35.255,111.811 54.673,111.811 56.087,113.225 56.087,119.95 56.774,120.637 60.681,120.637 61.214,120.104 61.214,116.827 61.739,116.303 62.85,116.303 62.85,117.104 63.246,117.5 70.371,117.5 70.78,117.092 70.78,116.303 J6.2
  Bottom Layer w0.3: R4.2 70.333,123.152 69.672,122.492 69.672,116.675 70.044,116.303 70.78,116.303 J6.2 71.105,116.303 71.929,116.303 72.225,116.599 72.225,122.034 73.101,122.911 76.568,122.911 76.784,122.695 LED10.C
CATHODE_C: J1.4 J4.3 J6.3 LED6.C R5.2 | length 97.1
  Top Layer w0.3: J1.4 29.667,122.86 30.442,122.085 71.78,122.085 73.228,120.637 73.228,116.967 ; J4.3 62.85,113.763 62.85,114.361 63.373,114.884 70.472,114.884 70.924,114.432 70.924,113.618 J6.3 72.668,113.6 73.228,114.16 73.228,116.967 ; LED6.C 86.23,118.869 84.938,117.577 73.838,117.577 73.228,116.967
  Bottom Layer w0.3: R5.2 68.847,114.363 69.61,113.6 J6.3
CATHODE_COLON: J2.7 J4.4 J6.4 LED9.C R11.2 | length 81.9
  Top Layer w0.3: J2.7 37.479,109.346 37.479,110.669 38.036,111.227 55.169,111.227 56.587,112.645 56.587,119.659 57.065,120.137 60.19,120.137 v1(60.503,119.825) 60.503,111.95 61.393,111.06 J4.4 62.784,111.157 62.784,112.085 63.144,112.446 66.726,112.446 68.111,111.06 J6.4 75.312,111.06 81.369,105.004 89.306,105.004 89.73,105.427 LED9.C
  Bottom Layer w0.3: v1(60.503,119.825) 61.413,120.735 R11.2 ; J4.4@62.525,111.223 J4.4
CATHODE_D: J1.2 J3.5 J5.5 R6.2 | length 76.7
  Top Layer w0.3: J1.2 24.587,122.288 25.73,121.145 38.506,121.145 39.484,120.167 v1(39.484,116.154) ; v1(40.094,108.915) 57.006,108.915 57.402,108.52 J3.5 57.656,108.472 57.656,107.495 58.151,107 65.281,107 65.776,107.495 65.776,108.434 J5.5
  Bottom Layer w0.3: v1(39.484,116.154) 39.484,113.284 40.094,112.674 v1(40.094,108.915) ; J5.5 65.962,108.42 67.513,108.42 68.318,109.225 68.318,123.617 67.361,124.574 R6.2
CATHODE_DP: J1.3
CATHODE_E: J1.1 J3.4 J5.4 LED7.C R7.2 | length 101.1
  Top Layer w0.3: J1.1 22.047,122.517 23.99,120.574 37.465,120.574 38.583,119.456 v1(38.583,115.565) ; v1(39.256,109.766) 54.953,109.766 56.247,111.06 J3.4 57.77,110.897 57.77,110.327 58.306,109.791 65.227,109.791 65.7,110.264 65.7,110.898 J5.4 67.093,109.83 75.552,109.83 81.369,104.013 v1(84.036,104.013) ; v1(83.973,106.984) LED7.C
  Bottom Layer w0.3: v1(38.583,115.565) 38.583,113.055 39.256,112.382 v1(39.256,109.766) ; J5.4 65.876,111.074 67.031,111.074 67.818,111.862 67.818,122.822 65.894,124.746 R7.2 ; v1(83.973,106.984) 84.005,106.953 84.005,104.044 v1(84.036,104.013)
CATHODE_F: J2.3 J3.2 J5.2 R9.2 | length 56.2
  Top Layer w0.3: J2.3 27.127,111.316 28.435,112.624 54.216,112.624 55.423,113.831 v1(55.423,116.09)
  Bottom Layer w0.3: v1(55.423,116.09) 55.449,116.115 57.582,116.115 J3.2 57.683,116.064 57.683,115.189 58.052,114.821 65.341,114.821 65.7,115.179 65.7,115.978 J5.2@65.851,116.129 ; R9.2 64.389,116.713 64.579,116.523 64.973,116.129 J5.2@65.851,116.129 ; J5.2 J5.2@65.851,116.129
CATHODE_G: J1.5 J3.3 J5.3 LED8.C R10.2 | length 92.9
  Top Layer w0.3: J1.5 32.207,123.203 32.537,122.872 v1(62.852,122.872) 62.916,122.936 v1(66.561,122.936) ; J5.3 67.553,113.6 68.707,112.446 73.711,112.446 74.435,113.17 74.435,116.23 74.943,116.738 88.684,116.738 89.738,117.792 89.738,123.993 LED8.C
  Bottom Layer w0.3: J3.3 57.607,112.725 57.988,112.344 65.278,112.344 65.773,112.839 65.773,113.511 J5.3 66.092,113.6 66.346,113.854 66.458,113.854 67.221,114.617 67.221,122.237 66.561,122.898 v1(66.561,122.936) ; v1(62.852,122.872) 62.852,124.921 R10.2
GND: BATT1.- C1.1 C2.1 C3.1 C4.1 C5.1 C6.1 C7.1 C8.1 C9.1 CONN1.1 CONN2.3 CONN3.3 CONN3.4 J7.4 J7.5 J7.6 LED3.1 PS1.2 R13.1 SW1.5 SW1.6 SW1.7 SW1.8 SW2.2 SW3.2 SW4.2 SW5.2 SW6.2 U1.6 U1.29 U2.1 U3.4 U3.7 U4.4 | length 20.5
  Bottom Layer w0.3: C9.1@4.126,109.182 4.126,110.057 4.407,110.338 U1.29 4.407,112.725 v1(4.153,112.979) ; v1(4.889,121.336) 5.207,121.653 U1.6 5.207,124.015 4.965,124.257 C2.1 ; U4.4 v1(17.573,102.138) ; C8.1 v1(24.312,104.657) ; v1(41.275,134.62) 41.542,134.353 U3.4 ; U3.7 v1(49.568,131.813) ; C1.1 64.552,135.185 64.702,135.335 65.32,135.335 65.618,135.633 68.862,135.633 69.145,135.351 69.145,134.69 v1(69.202,134.633) 68.94,134.37 U2.1
  other v1: 52.883,121.082 52.857,125.006 46.317,129.934
I2C_CLOCK: R15.1 U1.37 U4.6 | length 37.4
  Top Layer w0.254: v1(0.732,109.887) 10.5,109.887 10.817,110.204 17.634,110.204 v1(18.809,109.029)
  Bottom Layer w0.254: U1.37 -2.273,115.558 -3.18,114.651 -3.18,110.774 -2.197,109.791 0.637,109.791 v1(0.732,109.887) ; v1(18.809,109.029) 18.843,108.996 U4.6
  Bottom Layer w0.3: R15.1 15.621,104.721 18.58,104.721 18.843,104.983 U4.6
I2C_DATA: R14.1 U1.42 U4.5 | length 38.6
  Top Layer w0.254: v1(1.27,109.26) 4.008,109.26 4.08,109.331 10.586,109.331 11.005,109.75 15.776,109.75 v1(17.573,107.953)
  Bottom Layer w0.254: U1.42 -3.29,119.558 -3.68,119.167 -3.68,110.335 -2.605,109.26 v1(1.27,109.26) ; U4.5 v1(17.573,107.953)
  Bottom Layer w0.3: R14.1 17.551,106.143 U4.5
ICD_PGCLOCK: CONN2.5 U1.16 | length 31.5
  Bottom Layer w0.254: U1.16 12.71,117.958 13.395,118.642 13.395,127.53 16.262,130.397 27.992,130.397 29.349,131.754 CONN2.5
ICD_PGDATA: CONN2.4 U1.17 | length 40
  Bottom Layer w0.254: U1.17 13.144,117.157 13.861,117.874 13.861,127.292 16.512,129.943 28.826,129.943 31.119,132.237 31.119,134.809 30.682,135.247 27.27,135.247 26.859,134.836 26.859,134.026 CONN2.4
L\E\D\_\O\E\: R2.1 U1.22 U2.13 | length 73.3
  Top Layer w0.3: v1(16.599,126.086) 39.894,126.086 42.485,123.495 58.661,123.495 59.36,124.194 59.36,125.395 v1(59.372,125.408)
  Bottom Layer w0.3: U1.22 14.491,113.157 16.292,114.958 16.292,124.159 16.599,124.466 v1(16.599,126.086) ; R2.1@59.385,124.194 59.385,130.793 60.214,131.621 U2.13 U2.13@63.062,131.62
M\C\L\R\_VPP: CONN2.1 R1.1 U1.18 | length 27.3
  Top Layer w0.254: CONN2.1@19.125,133.912 CONN2.1 ; v1(19.2,129.311) CONN2.1@19.2,133.977
  Bottom Layer w0.254: U1.18 13.513,116.357 14.315,117.159 14.315,127.104 16.523,129.311 19.7,129.311
  Bottom Layer w0.3: CONN2.1 19.2,133.966 R1.1
MSF_Signal: CONN1.3 U1.11 | length 15.3
  Bottom Layer w0.3: U1.11 12.175,122.896 12.918,123.639 12.918,129.804 10.871,131.851 10.871,133.82 CONN1.3
NetBATT1_+: BATT1.+ U4.3 | length 38.3
  Bottom Layer w0.3: U4.3 18.91,100.674 18.91,99.705 19.17,99.445 38.485,99.445 41.732,102.692 41.732,107.112 40.93,107.914 BATT1.+
NetC4_2: C4.2 C7.2 CONN3.1 CONN3.2 PS1.1 | length 17.2
  Bottom Layer w0.75: C4.2@112.057,123.545 112.057,121.64 C7.2 113.878,121.609 114.782,120.706 CONN3.2@117.221,120.706 ; CONN3.1 118.452,116.892 119.589,115.755 119.589,112.631 PS1.1
  Bottom Layer w1.27: CONN3.1 CONN3.2
NetLED3_2: LED3.2 R12.1 | length 2.7
  Bottom Layer w0.5: LED3.2 111.147,99.641 R12.1
NetR3_1: R3.1 U2.5 | length 6.7
  Bottom Layer w0.3: U2.5 70.637,130.971 71.802,129.805 R3.1
NetR4_1: R4.1 U2.6 | length 5.7
  Bottom Layer w0.3: U2.6 70.322,130.321 70.828,129.815 70.828,128.176 70.333,127.681 R4.1
NetR5_1: R5.1 U2.7 | length 5.6
  Bottom Layer w0.3: R5.1 68.847,127.948 69.126,128.227 70.079,128.227 70.294,128.443 70.294,129.396 70.141,129.549 70.019,129.671 U2.7
NetR6_1: R6.1 U2.8 | length 4
  Bottom Layer w0.3: R6.1 67.361,128.672 67.742,129.053 68.908,129.053 U2.8
NetR7_1: R7.1 U2.9 | length 5
  Bottom Layer w0.3: U2.9 65.272,129.021 65.894,128.399 R7.1
NetR9_1: R9.1 U2.10 | length 7.5
  Bottom Layer w0.3: U2.10 61.604,129.671 61.252,129.319 61.252,128.24 61.582,127.91 63.932,127.91 64.389,127.453 R9.1
NetR10_1: R10.1 U2.11 | length 7.9
  Bottom Layer w0.3: R10.1 62.88,127.082 62.56,127.402 60.909,127.402 60.719,127.592 60.719,129.967 61.073,130.321 U2.11
NetR11_1: R11.1 U2.12 | length 8.2
  Bottom Layer w0.3: R11.1 60.495,126.444 60.198,126.741 60.198,130.551 60.618,130.971 U2.12
NetR13_2: R13.2 U2.15 U3.6 | length 15.9
  Bottom Layer w0.3: U3.6 53.638,133.083 54.852,134.296 58.007,134.296 59.382,132.921 U2.15
NetR20_1: R20.1 SW1.4 | length 17.1
  Bottom Layer w0.3: R20.1 49.276,115.404 53.219,111.461 SW1.4 SW1.4@53.074,107.666
NetR21_1: R21.1 SW1.3 | length 16.9
  Bottom Layer w0.3: R21.1 46.736,116.147 50.679,112.203 SW1.3
NetR22_1: R22.1 SW1.2 | length 16.9
  Bottom Layer w0.3: R22.1 44.196,117.158 48.139,113.214 SW1.2
NetR23_1: R23.1 SW1.1 | length 16.9
  Bottom Layer w0.3: R23.1 41.656,117.684 45.599,113.741 SW1.1
NetU4_1: U4.1 XTAL1.2 | length 3.4
  Bottom Layer w0.3: U4.1 21.413,100.771 23.444,100.771 23.774,101.101 XTAL1.2
NetU4_2: U4.2 XTAL1.1 | length 5.6
  Bottom Layer w0.3: U4.2 20.113,102.405 20.655,102.948 XTAL1.1
RX: CONN1.4 U1.1 | length 29.3
  Top Layer w0.3: v1(-3.514,122.895) -3.514,123.431 -0.513,126.432 10.634,126.432 13.221,129.019 CONN1.4
  Bottom Layer w0.3: v1(-3.514,122.895) U1.1
SPI_CLOCK: R17.1 R21.2 U1.20 U2.3 U3.2 | length 89.4
  Top Layer w0.3: v1(44.247,131.813) 44.247,135.458 45.153,136.365 59.076,136.365 60.507,134.933 66.975,134.933 v1(67.003,134.96)
  Bottom Layer w0.3: U1.20 14.25,114.757 15.292,115.8 15.292,126.699 16.641,128.048 28.544,128.048 34.569,134.074 39.243,134.074 41.504,131.813 U3.2 v1@44.116,131.813 ; v1(44.247,131.813) 44.247,129.976 45.007,129.216 45.007,126.024 45.432,125.599 R17.1 R21.2 ; v1(67.003,134.96) 67.003,134.943 66.99,134.931 66.99,132.878 67.597,132.271 U2.3
SPI_DATA: R16.1 R20.2 U1.19 U2.2 U3.3 | length 88.7
  Top Layer w0.3: v1(45.149,133.071) 45.149,135.026 45.987,135.865 58.598,135.865 60.152,134.311 67.627,134.311 v1(67.64,134.323)
  Bottom Layer w0.3: U1.19 13.881,115.558 14.792,116.468 14.792,126.906 16.524,128.638 28.321,128.638 34.404,134.722 39.738,134.722 41.377,133.083 U3.3 45.136,133.083 v1(45.149,133.071) 45.149,129.781 45.523,129.407 45.523,128.264 45.91,127.876 47.485,127.876 47.998,127.363 47.998,126.005 48.342,125.661 R16.1 49.251,124.349 R20.2 ; v1(67.64,134.323) 67.64,133.345 68.003,132.983 68.878,132.983 U2.2
SPI_LED_CS: R18.1 R22.2 U1.24 U2.4 | length 89.6
  Top Layer w0.254: v1(17.183,126.736) 17.211,126.708 39.548,126.708 41.764,128.924 v1(44.145,128.924) 44.145,128.969 46.026,130.85 46.026,134.926 46.469,135.369 58.242,135.369 60.025,133.587 v1(66.154,133.587)
  Bottom Layer w0.254: U1.24 8.407,110.351 8.7,110.058 12.167,110.058 16.775,114.667 16.775,123.968 17.251,124.444 17.251,126.667 v1(17.183,126.736) ; v1(66.154,133.587) 66.154,132.634 67.167,131.621 U2.4
  Bottom Layer w0.3: v1(44.145,128.924) 43.592,128.924 43.307,128.638 43.307,125.946 43.504,125.749 44.021,125.749 R18.1 44.171,124.349 R22.2
SPI_POT_CS: R19.1 R23.2 U1.21 U3.1 | length 54.8
  Bottom Layer w0.3: U1.21 14.428,113.957 15.792,115.322 15.792,126.447 16.733,127.388 28.671,127.388 34.747,133.464 38.964,133.464 40.957,131.47 41.789,130.639 42.72,130.639 U3.1 42.774,130.5 42.774,125.977 42.396,125.599 R19.1 R23.2
TX: CONN1.5 U1.44 | length 29.2
  Top Layer w0.3: v1(-2.888,121.983) -2.864,122.007 -2.864,123.145 -0.077,125.932 10.959,125.932 15.761,130.734 CONN1.5
  Bottom Layer w0.3: v1(-2.888,121.983) -2.83,121.926 -2.83,121.524 -2.464,121.158 U1.44
W5500_CS: J8.1 U1.40 | length 15.9
  Top Layer w0.254: J8.1 -3.067,107.27 -4.242,108.445 -4.242,117.028 -3.09,118.18 -3.086,118.18 v1(-3.053,118.213)
  Bottom Layer w0.254: v1(-3.053,118.213) -3.053,118.122 -2.904,117.973 U1.40@-0.584,117.973
W5500_INT: J8.5 U1.39 | length 22.7
  Top Layer w0.254: v1@0.978,117.157 -1.295,117.157 -2.34,116.113 -2.34,109.651 -0.82,108.131 4.864,108.131 J8.5
  Bottom Layer w0.254: U1.39 -0.519,117.17 0.941,117.17 v1(0.954,117.182)
W5500_MISO: J8.3 U1.3 | length 28.2
  Top Layer w0.254: J8.3 0.861,107.054 -1.238,107.054 -3.289,109.106 -3.289,116.448 -1.518,118.219 -1.518,122.688 0.741,124.947 2.713,124.947 v1(2.832,124.828)
  Bottom Layer w0.254: U1.3 2.8,122.902 2.8,124.797 v1(2.832,124.828)
W5500_MOSI: J8.4 U1.2 | length 27.8
  Top Layer w0.254: v1(2.007,124.32) 0.775,124.32 -1.029,122.517 -1.029,118.066 -2.794,116.301 -2.794,109.463 -1.008,107.677 2.778,107.677 J8.4
  Bottom Layer w0.254: U1.2 v1(2.007,124.32)
W5500_RST: J8.6 U1.38 | length 23.9
  Top Layer w0.254: v1(0.94,116.307) 0.874,116.373 0.629,116.373 0.619,116.382 -1.169,116.382 -1.841,115.71 -1.841,109.957 -0.47,108.585 7.645,108.585 8.255,107.975 8.255,107.28 J8.6
  Bottom Layer w0.254: U1.38 -0.506,116.382 0.864,116.382 v1(0.94,116.307)
W5500_SCK: J8.2 U1.41 | length 16.8
  Top Layer w0.254: v1(-2.426,118.72) -2.426,117.953 -3.788,116.591 -3.788,108.868 -0.822,105.902 J8.2
  Bottom Layer w0.254: v1(-2.426,118.72) -2.407,118.739 -0.55,118.739 U1.41
pads on no net: R13.3 U1.4 U1.5 U1.12 U1.13 U1.25 U1.26 U1.27 U1.33 U1.34 U2.14 U3.5

## Polygon pours and split planes (outlines as drawn)
GND on Top Layer "GND_L01_P000" (solid, remove dead copper, pour order 0): -4.75,96.939 -4.75,136.865 122.838,136.865 122.838,96.939
GND on Bottom Layer "GND_L02_P001" (solid, remove dead copper, pour order 1): -4.623,97.104 -4.623,137.03 122.965,137.03 122.965,97.104

## Keep-outs
Keep-Out Layer:
  the board outline again, w0.1

## Silkscreen, mask and mechanical layers (free items; w line width, h text height)
Top Overlay:
  lines w0.508: 120.983,119.095 122.253,119.095 ; 121.618,118.46 121.618,119.73 ; 121.618,125.476 121.618,126.746
  text "AJC - Aug 2023" at 100.889,98.933 h2
  text "www.gds.uk.com" at 101.092,97.663 h2
  text "39-996 - SM Clock-Timer" at 3.111,97.574 h2
Bottom Overlay:
  lines w0.508: 120.983,119.095 122.253,119.095 ; 121.618,118.46 121.618,119.73 ; 121.618,125.476 121.618,126.746
  text "ICSP" at 17.031,135.471 h1.52
  text "MSF MODULE" at 30.746,135.374 h1.52
Outline:
  the board outline again, w0.2